# KiCad board ASP-K8071.kicad_pcb (continued)
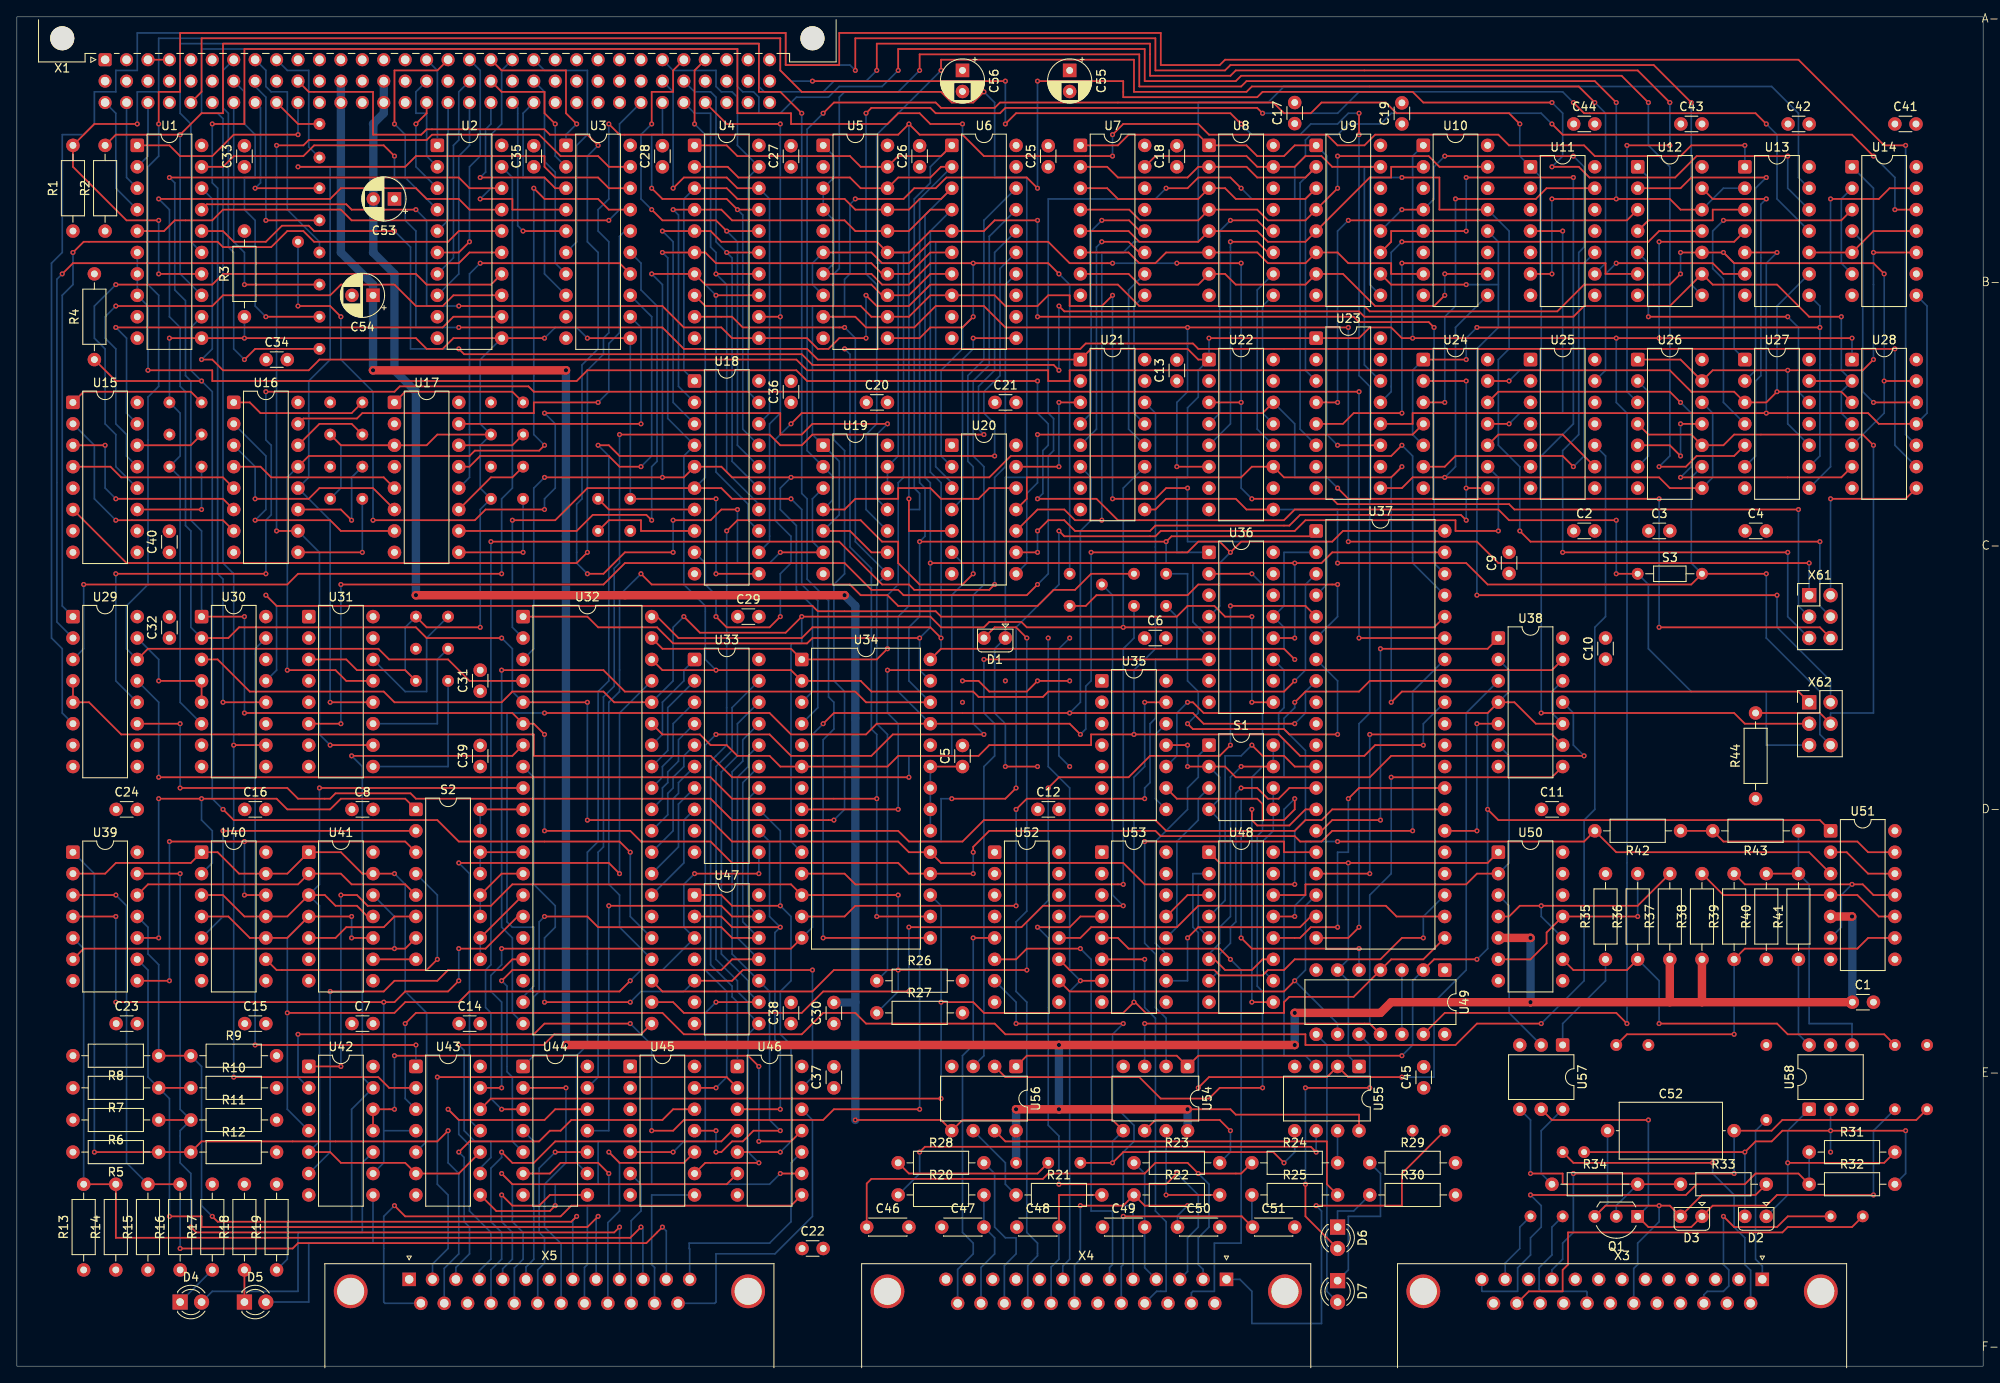
[diagram p0: board, top side]
## Footprints (pads in the part's own frame, mm; a bottom-side part is the same pattern mirrored in y, then rotated)
C_Axial_L12.0mm_D6.5mm_P15.00mm_Horizontal
  round 1.6 hole 0.8: 1(0,0) 2(15,0)
C_Disc_D3.0mm_W1.6mm_P2.50mm
  round 1.6 hole 0.8: 1(0,0) 2(2.5,0)
C_Disc_D4.3mm_W1.9mm_P5.00mm
  round 1.6 hole 0.8: 1(0,0) 2(5,0)
CP_Radial_D5.0mm_P2.50mm
  rect 1.6x1.6 hole 0.8: 1(0,0)
  round 1.6 hole 0.8: 2(2.5,0)
DIN41612_C_3x32_Male_Horizontal_THT
  round 2.85 hole 2.85 unplated: (-5.08,2.54) (83.82,2.54)
  rrect 1.55x1.55 hole 1: a1(0,0)
  round 1.55 hole 1: a2(2.54,0) a3(5.08,0) a4(7.62,0) a5(10.16,0) a6(12.7,0) a7(15.24,0) a8(17.78,0) a9(20.32,0) a10(22.86,0) a11(25.4,0) a12(27.94,0) a13(30.48,0) a14(33.02,0) a15(35.56,0) a16(38.1,0) a17(40.64,0) a18(43.18,0) a19(45.72,0) a20(48.26,0) a21(50.8,0) a22(53.34,0) a23(55.88,0) a24(58.42,0) a25(60.96,0) a26(63.5,0) a27(66.04,0) a28(68.58,0) a29(71.12,0) a30(73.66,0) a31(76.2,0) a32(78.74,0) b1(0,-2.54) b2(2.54,-2.54) b3(5.08,-2.54) b4(7.62,-2.54) b5(10.16,-2.54) b6(12.7,-2.54) b7(15.24,-2.54) b8(17.78,-2.54) b9(20.32,-2.54) b10(22.86,-2.54) b11(25.4,-2.54) b12(27.94,-2.54) b13(30.48,-2.54) b14(33.02,-2.54) b15(35.56,-2.54) b16(38.1,-2.54) b17(40.64,-2.54) b18(43.18,-2.54) b19(45.72,-2.54) b20(48.26,-2.54) b21(50.8,-2.54) b22(53.34,-2.54) b23(55.88,-2.54) b24(58.42,-2.54) b25(60.96,-2.54) b26(63.5,-2.54) b27(66.04,-2.54) b28(68.58,-2.54) b29(71.12,-2.54) b30(73.66,-2.54) b31(76.2,-2.54) b32(78.74,-2.54) c1(0,-5.08) c2(2.54,-5.08) c3(5.08,-5.08) c4(7.62,-5.08) c5(10.16,-5.08) c6(12.7,-5.08) c7(15.24,-5.08) c8(17.78,-5.08) c9(20.32,-5.08) c10(22.86,-5.08) c11(25.4,-5.08) c12(27.94,-5.08) c13(30.48,-5.08) c14(33.02,-5.08) c15(35.56,-5.08) c16(38.1,-5.08) c17(40.64,-5.08) c18(43.18,-5.08) c19(45.72,-5.08) c20(48.26,-5.08) c21(50.8,-5.08) c22(53.34,-5.08) c23(55.88,-5.08) c24(58.42,-5.08) c25(60.96,-5.08) c26(63.5,-5.08) c27(66.04,-5.08) c28(68.58,-5.08) c29(71.12,-5.08) c30(73.66,-5.08) c31(76.2,-5.08) c32(78.74,-5.08)
DIP-6_W7.62mm
  rrect 1.6x1.6 hole 0.8: 1(0,0)
  round 1.6 hole 0.8: 2(0,-2.54) 3(0,-5.08) 4(7.62,-5.08) 5(7.62,-2.54) 6(7.62,0)
DIP-8_W7.62mm
  rrect 1.6x1.6 hole 0.8: 1(0,0)
  round 1.6 hole 0.8: 2(0,-2.54) 3(0,-5.08) 4(0,-7.62) 5(7.62,-7.62) 6(7.62,-5.08) 7(7.62,-2.54) 8(7.62,0)
DIP-14_W7.62mm
  rrect 1.6x1.6 hole 0.8: 1(0,0)
  round 1.6 hole 0.8: 2(0,-2.54) 3(0,-5.08) 4(0,-7.62) 5(0,-10.16) 6(0,-12.7) 7(0,-15.24) 8(7.62,-15.24) 9(7.62,-12.7) 10(7.62,-10.16) 11(7.62,-7.62) 12(7.62,-5.08) 13(7.62,-2.54) 14(7.62,0)
DIP-16_W7.62mm
  rrect 1.6x1.6 hole 0.8: 1(0,0)
  round 1.6 hole 0.8: 2(0,-2.54) 3(0,-5.08) 4(0,-7.62) 5(0,-10.16) 6(0,-12.7) 7(0,-15.24) 8(0,-17.78) 9(7.62,-17.78) 10(7.62,-15.24) 11(7.62,-12.7) 12(7.62,-10.16) 13(7.62,-7.62) 14(7.62,-5.08) 15(7.62,-2.54) 16(7.62,0)
DIP-20_W7.62mm
  rrect 1.6x1.6 hole 0.8: 1(0,0)
  round 1.6 hole 0.8: 2(0,-2.54) 3(0,-5.08) 4(0,-7.62) 5(0,-10.16) 6(0,-12.7) 7(0,-15.24) 8(0,-17.78) 9(0,-20.32) 10(0,-22.86) 11(7.62,-22.86) 12(7.62,-20.32) 13(7.62,-17.78) 14(7.62,-15.24) 15(7.62,-12.7) 16(7.62,-10.16) 17(7.62,-7.62) 18(7.62,-5.08) 19(7.62,-2.54) 20(7.62,0)
DIP-28_W15.24mm
  rrect 1.6x1.6 hole 0.8: 1(0,0)
  round 1.6 hole 0.8: 2(0,-2.54) 3(0,-5.08) 4(0,-7.62) 5(0,-10.16) 6(0,-12.7) 7(0,-15.24) 8(0,-17.78) 9(0,-20.32) 10(0,-22.86) 11(0,-25.4) 12(0,-27.94) 13(0,-30.48) 14(0,-33.02) 15(15.24,-33.02) 16(15.24,-30.48) 17(15.24,-27.94) 18(15.24,-25.4) 19(15.24,-22.86) 20(15.24,-20.32) 21(15.24,-17.78) 22(15.24,-15.24) 23(15.24,-12.7) 24(15.24,-10.16) 25(15.24,-7.62) 26(15.24,-5.08) 27(15.24,-2.54) 28(15.24,0)
DIP-40_W15.24mm
  rrect 1.6x1.6 hole 0.8: 1(0,0)
  round 1.6 hole 0.8: 2(0,-2.54) 3(0,-5.08) 4(0,-7.62) 5(0,-10.16) 6(0,-12.7) 7(0,-15.24) 8(0,-17.78) 9(0,-20.32) 10(0,-22.86) 11(0,-25.4) 12(0,-27.94) 13(0,-30.48) 14(0,-33.02) 15(0,-35.56) 16(0,-38.1) 17(0,-40.64) 18(0,-43.18) 19(0,-45.72) 20(0,-48.26) 21(15.24,-48.26) 22(15.24,-45.72) 23(15.24,-43.18) 24(15.24,-40.64) 25(15.24,-38.1) 26(15.24,-35.56) 27(15.24,-33.02) 28(15.24,-30.48) 29(15.24,-27.94) 30(15.24,-25.4) 31(15.24,-22.86) 32(15.24,-20.32) 33(15.24,-17.78) 34(15.24,-15.24) 35(15.24,-12.7) 36(15.24,-10.16) 37(15.24,-7.62) 38(15.24,-5.08) 39(15.24,-2.54) 40(15.24,0)
DSUB-25_Pins_Horizontal_P2.77x2.84mm_EdgePinOffset7.70mm_Housed_MountingHolesOffset9.12mm
  round 4 hole 3.2: 0(-6.93,-1.42) 0(40.17,-1.42)
  rect 1.6x1.6 hole 1: 1(0,0)
  round 1.6 hole 1: 2(2.77,0) 3(5.54,0) 4(8.31,0) 5(11.08,0) 6(13.85,0) 7(16.62,0) 8(19.39,0) 9(22.16,0) 10(24.93,0) 11(27.7,0) 12(30.47,0) 13(33.24,0) 14(1.385,-2.84) 15(4.155,-2.84) 16(6.925,-2.84) 17(9.695,-2.84) 18(12.465,-2.84) 19(15.235,-2.84) 20(18.005,-2.84) 21(20.775,-2.84) 22(23.545,-2.84) 23(26.315,-2.84) 24(29.085,-2.84) 25(31.855,-2.84)
DSUB-25_Socket_Horizontal_P2.77x2.84mm_EdgePinOffset7.70mm_Housed_MountingHolesOffset9.12mm
  round 4 hole 3.2: 0(-40.17,-1.42) 0(6.93,-1.42)
  rect 1.6x1.6 hole 1: 1(0,0)
  round 1.6 hole 1: 2(-2.77,0) 3(-5.54,0) 4(-8.31,0) 5(-11.08,0) 6(-13.85,0) 7(-16.62,0) 8(-19.39,0) 9(-22.16,0) 10(-24.93,0) 11(-27.7,0) 12(-30.47,0) 13(-33.24,0) 14(-1.385,-2.84) 15(-4.155,-2.84) 16(-6.925,-2.84) 17(-9.695,-2.84) 18(-12.465,-2.84) 19(-15.235,-2.84) 20(-18.005,-2.84) 21(-20.775,-2.84) 22(-23.545,-2.84) 23(-26.315,-2.84) 24(-29.085,-2.84) 25(-31.855,-2.84)
Heraeus_TO-92-2
  round 1.6 hole 0.8: 1(0,0) 2(2.54,0)
LED_D3.0mm_Clear
  rect 1.8x1.8 hole 0.9: 1(0,0)
  round 1.8 hole 0.9: 2(2.54,0)
Pin_D1.0mm_L10.0mm
  round 1.4 hole 0.7: 1(0,0)
PinHeader_2x03_P2.54mm_Vertical
  rect 1.7x1.7 hole 1: 1(0,0)
  round 1.7 hole 1: 2(2.54,0) 3(0,-2.54) 4(2.54,-2.54) 5(0,-5.08) 6(2.54,-5.08)
R_Axial_DIN0204_L3.6mm_D1.6mm_P7.62mm_Horizontal
  round 1.4 hole 0.7: 1(0,0)
  oval 1.4x1.4 hole 0.7: 2(7.62,0)
R_Axial_DIN0207_L6.3mm_D2.5mm_P10.16mm_Horizontal
  round 1.6 hole 0.8: 1(0,0)
  oval 1.6x1.6 hole 0.8: 2(10.16,0)
TO-92L_Inline_Wide
  rect 1.5x1.5 hole 0.8: 1(0,0)
  round 1.5 hole 0.8: 2(2.54,0) 3(5.08,0)

## Nets
+5V: C2.1 C3.1 C4.1 C5.2 C6.1 C7.1 C8.1 C9.1 C10.1 C11.1 C12.1 C13.1 C14.1 C15.1 C16.1 C17.1 C18.1 C19.1 C20.1 C21.1 C22.1 C23.1 C24.1 C25.1 C26.1 C27.1 C28.1 C29.1 C31.1 C32.1 C33.1 C34.1 C35.1 C36.1 C37.1 C38.1 C39.1 C40.1 C41.1 C42.1 C43.1 C44.1 C45.1 C55.1 C56.1 R1.1 R2.1 R3.2 R4.2 R9.2 R10.2 R11.2 R12.2 R14.1 R16.1 R19.2 R26.2 R27.2 R35.2 R44.1 U1.20 U2.20 U3.20 U4.20 U5.20 U6.20 U7.16 U8.16 U9.16 U10.16 U11.14 U12.14 U13.14 U14.14 U15.16 U16.16 U17.16 U18.20 U19.14 U20.14 U21.16 U22.16 U23.16 U24.14 U25.14 U26.14 U27.14 U28.14 U29.16 U30.16 U31.16 U32.26 U33.20 U34.5 U35.14 U36.16 U37.9 U38.14 U39.14 U40.14 U41.14 U42.14 U43.14 U44.14 U45.14 U46.14 U47.14 U48.16 U49.14 U50.14 U51.14 U52.1 U52.2 U52.3 U52.14 U52.15 U53.1 U53.2 U53.3 U53.14 U53.15 X1.a11 X1.a12 X1.a14 X1.a15 X1.c24 X1.c25
+12V: C1.1 C54.1 R37.1 R38.1 U50.5 U51.5 U54.8 U55.8 U56.8 X1.b12 X1.c12 X133.1
-12V: C30.2 C53.2 U54.5 U55.5 U56.5 X1.b14 X1.c14 X131.1
GND: C1.2 C2.2 C3.2 C4.2 C5.1 C6.2 C7.2 C8.2 C9.2 C10.2 C11.2 C12.2 C13.2 C14.2 C15.2 C16.2 C17.2 C18.2 C19.2 C20.2 C21.2 C22.2 C23.2 C24.2 C25.2 C26.2 C27.2 C28.2 C29.2 C30.1 C31.2 C32.2 C33.2 C34.2 C35.2 C36.2 C37.2 C38.2 C39.2 C40.2 C41.2 C42.2 C43.2 C44.2 C45.2 C46.2 C47.1 C48.1 C49.1 C50.2 C51.2 C53.1 C54.2 C55.2 C56.2 R5.2 R6.2 R7.2 R8.2 R13.1 R15.1 R17.2 R18.2 R29.2 R30.2 R40.1 U1.9 U1.10 U2.9 U2.10 U3.9 U3.10 U4.10 U5.2 U5.5 U5.10 U6.9 U6.10 U7.8 U7.13 U7.14 U8.8 U8.13 U8.14 U9.8 U9.13 U9.14 U10.8 U11.2 U11.3 U11.7 U11.11 U11.12 U12.7 U13.7 U14.7 U15.8 U15.9 U15.10 U16.8 U17.2 U17.4 U17.8 U18.10 U19.7 U20.1 U20.7 U21.8 U22.8 U23.8 U24.7 U25.7 U25.11 U25.12 U26.7 U27.7 U27.11 U28.7 U29.8 U30.8 U31.1 U31.2 U31.4 U31.8 U31.15 U32.11 U33.9 U33.10 U34.20 U34.21 U34.22 U34.23 U34.24 U35.7 U36.8 U37.31 U38.7 U39.7 U40.7 U41.7 U42.3 U42.7 U43.7 U44.7 U45.7 U46.7 U47.4 U47.7 U48.8 U48.15 U49.1 U49.7 U50.7 U51.7 U52.8 U53.8 U54.4 U55.4 U56.4 X1.b2 X1.b6 X1.b9 X1.b13 X1.b17 X1.b20 X1.b23 X1.b26 X1.b29 X1.b32 X4.7 X5.1 X5.7 X104.1 X106.1 X108.1 X112.1 X141.1 X156.1 X158.1 X165.1 X176.1 X178.1 X195.1
-ADR0: U2.1 X1.a16
-ADR1: U2.2 X1.b16
-ADR2: U2.3 X1.c16
-ADR3: U2.4 X1.a17
-ADR4: U2.5 X1.c17
-ADR5: U2.6 X1.a18
-ADR6: U2.7 X1.b18
-ADR7: U2.8 X1.c18
-ADR8: U3.1 X1.a19
-ADR9: U3.2 X1.b19
-ADRA: U3.3 X1.c19
-ADRB: U3.4 X1.a20
-ADRC: U3.5 X1.c20
-ADRD: U3.6 X1.a21
-ADRE: U3.7 X1.b21
-ADRF: U3.8 X1.c21
-DAT0: U4.19 U18.19 X1.a27
-DAT1: U4.18 U18.18 X1.b27
-DAT2: U4.17 U18.17 X1.c27
-DAT3: U4.16 U18.16 X1.a28
-DAT4: U4.15 U18.15 X1.b28
-DAT5: U4.14 U18.14 X1.c28
-DAT6: U4.13 U18.13 X1.a29
-DAT7: U4.12 U18.12 X1.c29
-INIT: U1.1 X1.c10
-INT0: X1.a7 X181.1
-INT1: X1.b7 X182.1
-INT2: X1.c7 X183.1
-INT3: X1.a8 X184.1
-INT4: X1.b8 X185.1
-INT5: X1.c8 X186.1
-INT6: X1.a9 X187.1
-INT7: X1.c9 X188.1
-IORC: U1.4 X1.c1
-IOWC: U1.3 X1.c2
-XACK: U19.3 U19.6 X1.b10
/U32PA0: U32.15 U39.4 U42.9 U43.4
/U32PA1: S2.9 S2.10 U32.14
/U32PA2: S2.11 S2.12 U32.13
/U32PA3: S2.13 S2.14 U32.12
/U32PA4: S2.15 S2.16 U32.10
/U32PA5: U32.9 U40.3 U40.11 U41.3 U41.11 U42.5 U43.6 U43.10
/U32PA6: U32.8 U46.13 U47.5
/U32PB0: U32.27 U33.8
/U32PB1: U32.28 U33.7
/U32PB2: U32.29 U33.6
/U32PB3: U32.30 U33.5
/U32PB4: U32.31 U33.4
/U32PB5: U32.32 U33.3
/U32PB6: U32.33 U33.2
/U32PB7: U32.34 U33.1
/U33Q0: U33.12 U46.3 U47.2
/U33Q1: U33.13 U46.5 U47.1
/U33Q2: U33.14 U44.11 U47.13
/U33Q3: U33.15 U44.1 U47.12
/U33Q4: U33.16 U44.5 U47.11
/U33Q5: U33.17 U45.11 U47.10
/U33Q6: U33.18 U45.5 U47.9
/U33Q7: U33.19 U45.9 U47.8
/X5D0: U46.4 X5.17
/X5D1: U46.6 X5.18
/X5D2: U44.10 X5.19
/X5D3: U44.2 X5.20
/X5D4: U44.6 X5.21
/X5D5: U45.10 X5.22
/X5D6: U45.6 X5.23
/X5D7: U45.8 X5.24
/X5P: U46.12 X5.25
/X5S0: R8.1 R9.1 U39.11 X5.8
/X5S1: R7.1 R10.1 U39.9 X5.9
/X5S2: R6.1 R11.1 U39.13 X5.10
/X5S3: R13.2 R14.2 U39.5 X5.11
/X5T0: R5.1 R12.1 U39.1 X5.15
/X5T1: R15.2 R16.2 U39.3 X5.12
ADR0: U2.19 U29.3
ADR1: U2.18 U30.1 U32.6 U34.18 U37.34
ADR2: U2.17 U30.2 U32.5 U34.19 U37.33
ADR3: U2.16 U29.1
ADR4: U2.15 U29.2
ADR5: U2.14 U15.12
ADR6: U2.13 U15.13
ADR7: U2.12 U15.15
ADR8: U3.19 U16.10 U31.10
ADR9: U3.18 U16.12 U31.12
ADRA: U3.17 U16.13 U31.13
ADRB: U3.16 U16.15
ADRC: U3.15 U17.10
ADRD: U3.14 U17.12
ADRE: U3.13 U17.13
ADRF: U3.12 U17.15
C52P2: C52.2 X3.10 X101.1
CTC_CS: U28.9 U29.13 U34.16
D1A: D1.2 X4.22
D1K: D1.1 X1.c5
D2A: D2.2 R32.2 U58.2 X109.1
D2K: D2.1 R31.2 U58.1
DAT0: U4.1 U5.19 U6.1 U32.19 U34.25 U36.4 U37.40
DAT1: U4.2 U5.18 U6.2 U32.20 U34.26 U36.5 U37.1
DAT2: U4.3 U5.17 U6.3 U18.1 U32.1 U34.27 U36.12 U37.39
DAT3: U4.4 U5.16 U6.4 U18.2 U32.40 U34.28 U36.13 U37.2
DAT4: U4.5 U5.15 U6.5 U18.3 U32.39 U34.1 U37.38
DAT5: U4.6 U5.14 U6.6 U18.4 U32.38 U34.2 U37.3
DAT6: U4.7 U5.13 U6.7 U18.5 U32.3 U34.3 U37.37
DAT7: U4.8 U5.12 U6.8 U18.6 U32.2 U34.4 U37.4
H1: R3.1 U1.11 U2.11 U3.11 U17.3 U18.11 U30.6 U31.3 X142.1 X155.1 X157.1 X164.1 X166.1 X175.1 X177.1 X194.1 X196.1
PIO_CS: U28.10 U29.14 U32.4
Q1B: Q1.2 R33.1 R34.2 U57.4
Q1C: D3.1 Q1.1 U57.5 X103.1
Q1E: C52.1 D3.2 Q1.3 R33.2 X3.19
R20P2: C47.2 R20.2 X4.24
R21P2: C48.2 R21.2 X4.21
R22P1: C50.1 R22.1 X4.20
R23P2: C49.2 R23.1 X4.4
R24P2: C46.1 R24.1 X4.2
R25P2: C51.1 R25.1 X4.18
R28P1: R28.1 X132.1
R28P2: R28.2 X4.23
R31P1: R31.1 R32.1 X3.13
R34P1: R34.1 U57.6
R39P1: R39.1 U51.9 X107.1
R41P2: R41.1 U58.6
R43P1: R40.2 R41.2 R43.1 U58.4
SIO_CS: U29.12 U37.35
U1B1: U1.18 U13.9 U27.3 U28.3
U1B2: U1.17 U4.11 U12.10 U27.1 U28.5 U28.13
U1B3: U1.16 U12.9 U27.13 U28.2 U28.4
U1B4: U1.15 U26.3
U1B5: R1.2 U1.14 U37.20
U1B6: R2.2 U1.13 U34.15
U1B7: R4.1 U1.12 U32.25
U1CLK: S3.2 U21.9 U22.9 U26.9 X62.6
U1CLK2: S3.1 U1.6 U1.7 U1.8 X62.5
U4CS: R26.1 U4.9 U19.8
U5CS: U5.9 U22.6 X61.1
U5I5: U5.6 U5.8 U22.3 X61.3
U7A0: U7.5 U8.5 U9.5 U10.2
U7A1: U7.6 U8.6 U9.6 U10.7
U7A2: U7.7 U8.7 U9.7 U10.10
U7A3: U7.4 U8.4 U9.4 U10.15
U7A4: U7.3 U8.3 U9.3 U23.3
U7A5: U7.2 U8.2 U9.2 U23.6
U7A6: U7.1 U8.1 U9.1 U23.11
U7A7: U7.15 U8.15 U9.15 U23.14
U10C: U10.9 U23.9 U26.8 U26.12
U10D1: U9.12 U10.4 X61.5
U10D2: U9.11 U10.5 X62.3
U10D3: U9.10 U10.12 X62.2
U10D4: U9.9 U10.13 X61.4
U11AQN: U11.6 U12.12 U13.2 U19.1 U19.5 U19.9
U11AR: U11.1 U19.2 U19.4 U20.12 U24.13
U11BS: U11.10 U24.6
U12BQ: U12.6 U23.5
U13AQ: U12.1 U12.4 U13.3
U13BQ: U13.6 U25.13
U13CQ: U13.8 U24.1 U24.5 U27.9
U13I2: U13.13 U20.10
U14AC: U14.3 U27.4
U14AQ: U13.10 U14.5 U14.11
U14AR: U14.1 U14.10 U26.1 U26.13 U27.10
U14AS: U14.4 U28.12
U15BQN: U13.5 U14.8 U23.12 U28.11
U18A6: U18.7 X144.1
U18A7: U18.8 X143.1
U18CS: U18.9 U22.14 X61.6
U19CE2: U13.11 U19.10
U19DE: U11.9 U19.12 U19.13
U20AQ: U5.1 U5.3 U5.4 U5.7 U5.11 U20.2 X127.1
U20BQ: U6.11 U20.4
U20DI: U20.9 U24.2 U24.8
U20DQ: U20.8 U24.4
U20EE: U20.11 U22.11 X62.1
U20FI: U20.13 U21.3
U21D1: U7.12 U21.4
U21D2: U7.11 U21.5
U21D3: U7.10 U21.12
U21D4: U7.9 U21.13
U22D1: U8.12 U22.4
U22D2: U8.11 U22.5
U22D3: U8.10 U22.12
U22D4: U8.9 U22.13
U22R: U1.19 U10.1 U13.4 U21.1 U22.1 U23.1 U28.1 U36.1 U49.13
U23I1: U12.3 U23.4
U23I4: U12.11 U23.13
U24AQ: U11.13 U24.3
U24DQ: U11.4 U24.11
U25BQ: U24.10 U25.9
U26AQ: U26.5 U26.11
U26BS: R44.2 U26.4 U26.10 X62.4
U27AQ: U12.2 U27.2
U27CQ: U12.13 U27.6
U27DQ: U14.13 U27.8
U27FQ: U12.5 U27.12
U28AQ: U24.12 U28.6
U28CQ: U28.8 X61.2
U29E2: U20.6 U29.4 U29.5
U29E3: U12.8 U29.6
U29Q4: U13.12 U29.11
U30A2: U21.11 U30.3 U32.36 U34.10 U37.36
U31QG: U14.12 U31.6
U32IEI: U32.24 X124.1
U32IEO: U32.22 X125.1
U32PA7: R19.1 U32.7 U42.13
U34IEI: U34.13 X121.1
U34IEO: U34.11 X123.1
U34RD: U21.14 U32.35 U34.6 U37.32
U34T1: U34.8 U38.13
U34T2: U34.9 U37.27
U35BQ: U35.9 U55.3
U36C: U30.13 U36.9
U36Q2N: U36.6 U56.3
U36Q3N: U36.11 U56.2
U37IEI: U37.6 X126.1
U37IEO: U37.7 X122.1
U37RTSA: U37.17 U38.9
U37TXDA: U37.15 U38.1
U38AQ: U38.3 U48.2 U55.2
U38BE: U37.26 U38.5
U38BQ: U38.6 U48.14 U50.2
U38DQ: S1.2 S1.4 U35.11 U38.11 U48.5
U42AE: R27.1 U32.23 U34.12 U37.5 U42.1
U42AQ: U24.9 U42.2
U42FQ: U42.11 U42.12 U46.11
U43AQ: U25.10 U43.3
U43DE1: U34.17 U35.13 U37.21 U43.12 U49.4
U43DE2: U21.6 U34.14 U37.8 U43.13
U43DQ: U32.37 U43.11
U44BE: U6.14 U44.3
U44BQ: U44.4 X5.6
U44DE: U6.15 U44.9
U44DQ: U44.8 X5.5
U44FE: U6.16 U44.13
U44FQ: U44.12 X5.4
U45FE: U6.17 U45.13
U45FQ: U45.12 X5.3
U46AE: U6.18 U46.1
U46AQ: U46.2 X5.2
U46EQ: U46.10 X5.13
U48B1: S1.7 S1.8 U48.6 U48.11
U48B2: S1.5 S1.6 U48.10
U48B3: R42.2 U48.13 U51.3
U48Q0: U37.12 U48.4
U48Q1: U37.13 U48.7
U48Q2: U37.14 U48.9
U48Q3: U37.28 U48.12
U49CE: U36.2 U49.5
U49CQ: U48.1 U49.6 U50.1 U55.1
U49DE: U37.18 U49.9 U52.10
U49EE: U38.8 U49.11 U54.3
U49FQ: U49.3 U49.12
U50AC2: R37.2 U50.4 U50.10
U50AY1: U50.3 U57.2
U50B2: R36.2 U50.6 U50.11
U50E2: R36.1 U50.9 X102.1
U51A2: R42.1 R43.2 U51.13
U51AG: U35.10 U38.2 U38.4 U38.10 U38.12 U49.2 U51.1 U54.1 U56.1
U51B1: R38.2 U51.4 U51.10
U51E1: R39.2 U51.6 U51.11
U52A2: U52.5 X4.25
U52A3: U52.6 X4.6
U52A4: U52.7 X4.5
U52Y2: U37.22 U52.12
U52Y3: U37.23 U52.11
U53A1: U53.4 X4.3
U53A2: U53.5 X4.15
U53A3: U53.6 X4.17
U53A4: U53.7 X4.8
U53Y1: U48.3 U53.13
U53Y2: S1.3 U53.12
U53Y3: S1.1 U53.11
U53Y4: U37.19 U53.10
U54A1: U37.16 U54.2
U54Y1: R22.2 U54.7
U54Y2: R23.2 U54.6
U55Y1: R24.2 U55.7
U55Y2: R20.1 U55.6
U56Y1: R25.2 U56.7
U56Y2: R21.1 U56.6
U57A: R35.1 U57.1
X1C3: U1.2 X1.c3
X1C26: U1.5 X1.c26
X105_P: X3.1 X105.1
X111_P: X4.1 X111.1
X201_P: X3.24 X201.1
X202_P: X3.16 X202.1
X203_P: X3.21 X203.1
X204_P: X3.12 X204.1
X1010_P: X3.14 X1010.1
Net-(D4-A): D4.2 U42.10
Net-(D4-K): D4.1 R17.1
Net-(D5-A): D5.2 U42.8
Net-(D5-K): D5.1 R18.1
Net-(D6-A): D6.2 U49.10
Net-(D6-K): D6.1 R30.1
Net-(D7-A): D7.2 U49.8
Net-(D7-K): D7.1 R29.1
Net-(S2-Pad1): S2.1 U39.10 U40.2
Net-(S2-Pad2): S2.2 U40.5
Net-(S2-Pad3): S2.3 U39.8 U40.12
Net-(S2-Pad4): S2.4 U40.9
Net-(S2-Pad5): S2.5 U39.12 U41.2
Net-(S2-Pad6): S2.6 U41.5
Net-(S2-Pad7): S2.7 U39.6 U41.12
Net-(S2-Pad8): S2.8 U41.9
Net-(U14-Pad2): U14.2 U14.6
Net-(U15-B1): U15.11 X191.1
Net-(U15-B2): U15.14 X192.1
Net-(U15-B3): U15.1 X193.1
Net-(U15-Ia<b): U15.2 U16.7
Net-(U15-Ia=b): U15.3 U16.6
Net-(U15-Ia>b): U15.4 U16.5
Net-(U15-Oa=b): U13.1 U15.6 U20.5
Net-(U16-B0): U16.9 X171.1
Net-(U16-B1): U16.11 X172.1
Net-(U16-B2): U16.14 X173.1
Net-(U16-B3): U16.1 X174.1
Net-(U16-Ia<b): U16.2 U17.7
Net-(U16-Ia=b): U16.3 U17.6
Net-(U16-Ia>b): U16.4 U17.5
Net-(U17-B0): U17.9 X151.1
Net-(U17-B1): U17.11 X152.1
Net-(U17-B2): U17.14 X153.1
Net-(U17-B3): U17.1 X154.1
Net-(U26-Pad2): U26.2 U26.6
Net-(U29-O0): U29.15 U30.4 U30.5
Net-(U30-O0): U30.15 U43.1
Net-(U30-O3): U20.3 U30.12
Net-(U30-O5): U27.5 U30.10 U43.2
Net-(U31-B0): U31.9 X161.1
Net-(U31-B1): U31.11 X162.1
Net-(U31-B2): U31.14 X163.1
Net-(U32-BRDY): U32.21 U43.9
Net-(U32-~{BSTB}): U32.17 U42.6
Net-(U33-DIR): U33.11 U40.4 U40.10 U41.4 U41.10 U42.4 U47.3
Net-(U35-Pad12): U35.8 U35.12
Net-(U39-Pad2): U39.2 U40.1 U40.13 U41.1 U41.13 U43.5
Net-(U43-Pad8): U43.8 U46.9
Net-(U51A-1A): U51.2 U51.12
Net-(X1-Pin_a3): X1.a3 X1.a4
Net-(X5-P14): U46.8 X5.14
Net-(X189-Pin_1): U19.11 X189.1

Pads without a net: U6 12 13 19; U10 3 6 11 14; U11 5 8; U14 9; U15 5 7; U21 2 7 10 15; U22 2 7 10 15; U23 2 7 10 15; U25 1 2 3 4 5 6 8; U29 7 9 10; U30 7 9 11 14; U31 5 7; U32 16 18; U34 7; U35 1 2 3 4 5 6; U36 3 7 10 14 15; U37 10 11 24 25 29 30; U40 6 8; U41 6 8; U45 1 2 3 4; U47 6; U50 8 12 13; U51 8; U52 4 9 13 16; U53 9 16; U57 3; U58 3 5; X1 a1 a2 a5 a6 a10 a13 a22 a23 a24 a25 a26 a30 a31 a32 b1 b3 b4 b5 b11 b15 b22 b24 b25 b30 b31 c4 c6 c11 c13 c15 c22 c23 c30 c31 c32; X3 0 2 3 4 5 6 7 8 9 11 15 17 18 20 22 23 25; X4 0 9 10 11 12 13 14 16 19; X5 0 16

## Via types
v1: diameter 0.6, hole 0.3, Top to Bottom, 554 vias
v2: diameter 1.016, hole 0.508, Top to Bottom, 14 vias

## Routing (per net, layer and track width the routed paths; a pad name or vN(x,y) marks a point on that pad's centre or on a via; arc(x,y) is an arc through that point)
+12V: length 389.1
  Top w0.2: v2(138.72,30.46) 143.81,30.46 144.44,29.82 159.04,29.82 U55.8
  Top w0.991: v2(65.06,38.08) v2(123.48,38.08) v2(151.43,38.08) ; v2(42.2,118.09) v2(65.06,118.09) ; v2(151.43,41.89) 161.59,41.89 162.85,43.16 v2(179.37,43.16) 195.88,43.16 ; v2(217.47,53.32) U51.5 ; v2(179.37,50.78) U50.5 ; 195.88,43.16 R37.1 ; 195.88,43.16 199.69,43.16 ; v2(138.72,30.46) v2(123.48,30.46) v2(118.41,30.46) ; 199.69,43.16 C1.1 ; 199.69,43.16 R38.1
  Bottom w0.991: v2(123.48,38.08) v2(123.48,30.46) ; v2(151.43,38.08) v2(151.43,41.89) ; v2(118.41,30.46) X133.1 ; v2(217.47,53.32) 217.51,53.28 C1.1 ; v2(42.2,118.09) C54.1 42.2,128.25 38.39,132.06 X1.b12 ; v2(179.37,43.16) v2(179.37,50.78) ; v2(138.72,30.46) U54.8 ; v2(65.06,38.08) v2(65.06,118.09)
-12V: length 246.9
  Top w0.2: U54.5 129.84,29.19 112.06,29.19 U56.5 109.51,29.19 v1(99.35,29.19) ; v1(150.16,24.11) 148.88,25.38 131.1,25.38 v1(129.84,24.11) X131.1
  Top w0.991: v2(98.09,91.42) v2(47.28,91.42)
  Bottom w0.2: v1(150.16,24.11) 151.43,25.38 U55.5 ; v1(129.84,24.11) 129.84,26.65 U54.5
  Bottom w0.991: 99.35,43.16 99.35,90.15 v2(98.09,91.42) ; 99.35,43.16 99.31,43.12 C30.2 ; 99.35,43.16 v1(99.35,29.19) ; v2(47.28,91.42) 47.28,115.55 44.75,118.09 44.75,129.52 42.2,132.06 42.25,132.1 C53.2 42.25,147.26 42.2,147.3 43.47,148.57 X1.c14 X1.b14
GND: length 11.4
  Top w0.2: U34.23 C5.1
  Bottom w0.2: U34.23 U34.20
(no net): length 30
  Top w0.2: v1(112.06,81.26) 113.96,81.26 115.23,79.99 119.68,79.99 v1(120.94,81.26) v1(124.75,81.26)
  Bottom w0.2: v1(124.75,86.34) 123.48,85.07 123.48,72.37 v1(124.75,71.1)
  vias: v1(112.06,78.72) v1(117.13,81.26)
-ADR0: length 10.7
  Bottom w0.2: X1.a16 49.83,153.64 U2.1
-ADR1: length 12.5
  Bottom w0.2: X1.b16 47.28,151.11 47.28,148.57 48.55,148.57 48.55,143.5 U2.2
-ADR2: length 11.7
  Top w0.2: v1(47.28,147.3) 48.55,148.57 X1.c16
  Bottom w0.2: v1(47.28,147.3) 47.28,142.22 U2.3
-ADR3: length 25.5
  Top w0.2: v1(44.75,147.3) 44.75,153.65 49.83,153.65 X1.a17
  Bottom w0.2: U2.4 46.02,140.95 46.02,140.95 46.02,146.03 v1(44.75,147.3)
-ADR4: length 15.8
  Bottom w0.2: X1.c17 51.09,135.87 U2.5
-ADR5: length 27
  Top w0.2: U2.6 52.36,132.06 v1(53.64,133.33)
  Bottom w0.2: v1(53.64,133.33) 53.64,142.22 54.91,143.49 54.91,153.65 X1.a18
-ADR6: length 24.4
  Bottom w0.2: U2.7 51.73,131.42 51.73,144.76 52.36,145.39 52.36,151.11 X1.b18
-ADR7: length 24.4
  Bottom w0.2: U2.8 52.36,129.51 52.36,143.49 53.64,144.76 X1.c18
-ADR8: length 19.4
  Top w0.2: v1(66.33,147.3) 65.06,148.57 65.06,153.65 57.44,153.65 X1.a19
  Bottom w0.2: U3.1 65.07,146.03 65.06,146.03 v1(66.33,147.3)
-ADR9: length 16.8
  Top w0.2: v1(63.8,147.3) 62.53,148.57 62.53,151.11 57.44,151.11 X1.b19
  Bottom w0.2: U3.2 63.8,143.49 63.8,143.49 v1(63.8,147.3)
-ADRA: length 20.1
  Top w0.2: v1(54.91,140.95) 62.53,140.95 63.8,139.68 U3.3
  Bottom w0.2: v1(54.91,140.95) 55.54,141.58 55.54,146.66 56.17,147.3 X1.c19
-ADRB: length 29.5
  Top w0.2: v1(54.91,138.41) 58.72,138.41 58.72,137.14 U3.4
  Bottom w0.2: v1(54.91,138.41) 56.17,139.68 56.17,146.03 57.44,147.3 57.44,153.65 X1.a20
-ADRC: length 20.9
  Top w0.2: v1(59.98,134.6) U3.5
  Bottom w0.2: v1(59.98,134.6) 59.35,135.24 59.35,149.2 X1.c20
-ADRD: length 29.5
  Bottom w0.2: U3.6 66.33,133.32 66.33,144.76 67.61,146.03 67.61,153.65 62.53,153.65 X1.a21
-ADRE: length 24.4
  Bottom w0.2: X1.b21 62.53,151.11 62.53,142.85 63.8,141.58 63.8,130.8 U3.7
-ADRF: length 27
  Bottom w0.2: U3.8 62.53,129.52 62.53,140.95 59.98,140.95 59.98,148.57 X1.c21
-DAT0: length 50.2
  Bottom w0.2: U18.19 86.66,115.55 86.66,140.95 86.66,140.95 U4.19 86.66,143.49 86.66,143.49 85.38,144.76 85.38,150.47 84.75,151.11 83.48,151.11 82.84,151.75 82.84,153.65 77.77,153.65 X1.a27
-DAT1: length 53.4
  Top w0.2: v1(77.77,139.68) 79.03,140.95 84.12,140.95 85.38,139.68 U4.18
  Bottom w0.2: U4.18 89.19,138.41 89.19,113.01 U18.18 ; v1(77.77,139.68) 77.77,151.11 X1.b27
-DAT2: length 54.2
  Top w0.2: U4.17 v1(85.38,137.14) 84.12,138.41 76.5,138.41 v1(75.22,139.68)
  Bottom w0.2: v1(75.22,139.68) 75.22,146.03 76.5,146.03 X1.c27 ; v1(85.38,137.14) 86.02,136.5 86.02,111.1 U18.17
-DAT3: length 65.2
  Top w0.2: X1.a28 77.77,153.65 77.77,151.11 75.22,151.11 v1(75.22,147.3) ; v1(75.22,137.14) 76.5,135.87 82.84,135.87 v1(84.12,134.6) U4.16
  Bottom w0.2: v1(75.22,147.3) 73.95,146.03 73.95,138.41 v1(75.22,137.14) ; U18.16 85.38,109.2 85.38,133.33 v1(84.12,134.6)
-DAT4: length 56.9
  Top w0.2: U4.15 v1(84.12,132.06)
  Bottom w0.2: U18.15 84.75,107.3 84.75,131.43 v1(84.12,132.06) 82.84,133.33 82.84,150.47 82.21,151.11 80.3,151.11 X1.b28
-DAT5: length 58.1
  Top w0.2: U4.14 v1(82.84,129.52)
  Bottom w0.2: U18.14 87.93,102.22 84.12,106.02 84.12,128.25 v1(82.84,129.52) 82.84,132.06 82.21,132.69 82.21,148.57 80.3,148.57 X1.c28
-DAT6: length 64.6
  Top w0.2: v1(82.84,126.98) U4.13 ; X1.a29 80.3,153.65 v1(80.3,147.3)
  Bottom w0.2: v1(80.3,147.3) 81.58,146.03 81.58,128.25 v1(82.84,126.98) 82.84,106.02 86.66,102.22 86.66,100.31 U18.13
-DAT7: length 64.3
  Top w0.2: X1.c29 84.12,147.3 v1(90.47,147.3) ; v1(90.47,124.44) U4.12
  Bottom w0.2: v1(90.47,147.3) v1(90.47,124.44) 90.47,113.01 89.19,111.74 89.19,97.77 U18.12
-INIT: length 24.4
  Top w0.2: U1.1 18.07,144.76 19.34,143.49 23.16,143.49 25.69,146.03 v1(33.31,146.03)
  Bottom w0.2: X1.c10 v1(33.31,146.03)
-INT0: length 46.6
  Top w0.2: v1(26.97,119.36) 28.23,120.63 X181.1
  Bottom w0.2: v1(26.97,119.36) 25.69,120.63 25.69,132.06 25.06,132.69 25.06,148.57 24.42,149.2 24.42,153.65 X1.a7
-INT1: length 37.7
  Top w0.2: X182.1 v1(29.5,124.44)
  Bottom w0.2: v1(29.5,124.44) 28.23,125.71 28.23,135.87 26.97,137.14 26.97,140.95 28.23,140.95 28.23,146.03 26.97,147.3 26.97,151.11 X1.b7
-INT2: length 31
  Top w0.2: X183.1 v1(26.97,128.25)
  Bottom w0.2: X1.c7 25.69,133.33 26.97,132.06 v1(26.97,128.25)
-INT3: length 27.1
  Bottom w0.2: X184.1 35.86,133.33 32.05,137.14 32.05,151.11 30.14,151.11 29.5,151.75 29.5,153.65 X1.a8
-INT4: length 23.4
  Top w0.2: X185.1 v1(29.5,135.87)
  Bottom w0.2: X1.b8 28.23,151.75 29.5,150.47 v1(29.5,135.87)
-INT5: length 18.3
  Top w0.2: X186.1 v1(28.23,139.68)
  Bottom w0.2: X1.c8 28.87,149.2 28.87,140.31 v1(28.23,139.68)
-INT6: length 15.2
  Bottom w0.2: X187.1 34.58,144.58 34.58,153.65 32.05,153.65 X1.a9
-INT7: length 6.1
  Top w0.2: X1.c9 33.31,147.3 X188.1
-IORC: length 14.3
  Bottom w0.2: U1.4 11.73,139.69 11.73,148.57 X1.c1
-IOWC: length 10.7
  Bottom w0.2: U1.3 12.99,140.95 X1.c2
-XACK: length 144.5
  Top w0.2: X1.b10 34.58,151.11 42.2,151.11 42.2,146.03 47.92,146.03 48.55,146.66 62.53,146.66 63.16,146.03 67.61,146.03 v1(68.88,144.76) ; v1(77.77,100.31) 82.21,100.31 83.48,101.58 v1(85.38,101.58) ; v1(67.61,93.96) 69.51,93.96 72.05,96.5 v1(77.77,96.5) ; v1(90.47,96.5) U19.6
  Bottom w0.2: v1(68.88,144.76) 67.61,143.49 67.61,133.33 68.88,132.06 68.88,120.63 66.97,118.72 66.97,102.85 66.33,102.22 66.33,95.23 v1(67.61,93.96) ; v1(85.38,101.58) 85.38,95.23 89.19,95.23 v1(90.47,96.5) ; v1(77.77,96.5) v1(77.77,100.31) ; U19.6 94.28,97.77 94.28,102.85 U19.3
/U32PA0: length 94.6
  Top w0.2: v1(11.73,43.16) v1(43.47,43.16) 44.75,43.16 46.02,44.43 51.09,44.43 v1(52.36,45.7) ; U39.4 v1(11.73,53.32) ; v1(52.36,49.51) 55.54,49.51 59.35,53.32 U32.15
  Bottom w0.2: U42.9 43.47,24.11 43.47,27.92 ; v1(43.47,43.16) 43.47,27.92 ; 43.47,27.92 U43.4 ; v1(11.73,53.32) v1(11.73,43.16) ; v1(52.36,45.7) v1(52.36,49.51)
/U32PA1: length 9.7
  Top w0.2: S2.10 U32.14
  Bottom w0.2: S2.10 S2.9
/U32PA2: length 8.7
  Top w0.2: U32.13 57.44,58.4 S2.12
  Bottom w0.2: S2.12 S2.11
/U32PA3: length 7.6
  Top w0.2: S2.14 U32.12
  Bottom w0.2: S2.14 S2.13
/U32PA4: length 7.6
  Top w0.2: S2.16 U32.10
  Bottom w0.2: S2.16 S2.15
/U32PA5: length 114.8
  Top w0.2: U43.10 52.36,22.84 U43.6 46.02,24.11 38.39,24.11 37.12,25.38 U42.5 ; U41.11 41.57,53.32 40.3,54.59 37.76,54.59 36.49,55.86 U41.3 32.05,53.32 U40.11 26.97,53.32 24.42,55.86 U40.3 ; v1(35.86,68.56) U32.9
  Bottom w0.2: U42.5 35.86,26.65 35.86,54.59 U41.3 35.86,57.13 v1(35.86,68.56)
/U32PA6: length 77.9
  Top w0.2: v1(72.69,43.16) v1(62.53,43.16) ; U47.5 84.75,45.7 86.02,46.97 v1(94.28,46.97)
  Bottom w0.2: U47.5 79.03,44.43 73.95,44.43 v1(72.69,43.16) ; U46.13 94.28,34.27 v1(94.28,46.97) ; v1(62.53,43.16) 62.53,50.78 63.8,52.05 63.8,54.59 61.25,57.13 61.25,69.83 U32.8
/U32PB0: length 12.3
  Bottom w0.2: U32.27 79.03,59.67 79.03,64.75 U33.8
/U32PB1: length 12.3
  Bottom w0.2: U33.7 78.4,66.66 78.4,61.57 U32.28
/U32PB2: length 12.3
  Bottom w0.2: U33.6 78.4,69.19 78.4,67.92 77.77,67.29 77.77,63.48 U32.29
/U32PB3: length 12.3
  Bottom w0.2: U33.5 79.03,72.37 79.03,71.1 77.77,69.83 77.77,68.56 77.13,67.92 77.13,65.38 U32.30
/U32PB4: length 12.3
  Bottom w0.2: U33.4 78.4,74.27 78.4,71.73 77.13,70.47 77.13,69.19 76.5,68.56 76.5,67.29 U32.31
/U32PB5: length 12.3
  Bottom w0.2: U32.32 76.5,69.83 76.5,71.1 77.77,72.37 77.77,76.18 U33.3
/U32PB6: length 12.3
  Bottom w0.2: U32.33 77.13,73 77.13,78.08 U33.2
/U32PB7: length 12.3
  Bottom w0.2: U32.34 76.5,74.91 76.5,78.72 79.03,81.26 79.03,82.53 U33.1
/U33Q0: length 50.4
  Top w0.2: U46.3 v1(90.47,30.46) ; U47.2 83.48,53.32 84.75,52.05 v1(90.47,52.05)
  Bottom w0.2: v1(90.47,30.46) 90.47,38.08 89.83,38.72 89.83,51.41 v1(90.47,52.05) 89.19,53.32 89.19,62.21 U33.12
/U33Q1: length 59.6
  Top w0.2: U46.5 v1(90.47,25.38) ; v1(90.47,54.59) 84.75,54.59 83.48,55.86 U47.1
  Bottom w0.2: U33.13 90.47,63.48 v1(90.47,54.59) 91.73,53.32 91.73,45.7 90.47,44.43 90.47,39.35 91.73,38.08 91.73,26.65 v1(90.47,25.38)
/U33Q2: length 63.8
  Top w0.2: U47.13 84.75,53.32 83.48,54.59 v1(70.14,54.59)
  Bottom w0.2: v1(70.14,54.59) 70.14,27.92 U44.11 ; U33.14 86.66,67.29 86.66,54.59 U47.13
/U33Q3: length 67.2
  Top w0.2: v1(62.53,53.32) 67.61,53.32 68.88,52.05 83.48,52.05 84.75,50.78 U47.12
  Bottom w0.2: U44.1 61.25,36.81 61.25,43.79 61.89,44.43 61.89,52.69 v1(62.53,53.32) ; U47.12 86.02,52.69 86.02,69.19 U33.15
/U33Q4: length 80.4
  Top w0.2: v1(57.44,45.7) 58.72,46.97 83.48,46.97 84.75,48.24 U47.11
  Bottom w0.2: v1(57.44,45.7) 58.08,45.06 58.08,34.91 58.72,34.27 58.72,26.65 U44.5 ; U33.16 86.66,72.37 86.66,71.1 85.38,69.83 85.38,50.78 U47.11
/U33Q5: length 65.7
  Top w0.2: U45.11 v1(82.84,27.92) ; v1(82.84,25.38) 83.48,25.38 84.75,26.65 86.02,26.65 87.29,27.92 v1(90.47,27.92)
  Bottom w0.2: v1(82.84,27.92) v1(82.84,25.38) ; U33.17 86.02,74.27 86.02,71.73 84.75,70.47 84.75,48.88 U47.10 89.19,44.43 89.19,29.19 v1(90.47,27.92)
/U33Q6: length 70.8
  Top w0.2: U45.5 v1(77.77,25.38) ; v1(82.84,43.16) U47.9
  Bottom w0.2: U33.18 85.38,76.18 85.38,72.37 83.48,70.47 83.48,48.88 86.66,45.7 86.66,44.43 U47.9 ; v1(77.77,25.38) 79.03,26.65 81.58,26.65 81.58,41.89 v1(82.84,43.16)
/U33Q7: length 70.6
  Top w0.2: v1(87.93,24.11) 81.58,24.11 U45.9
  Bottom w0.2: v1(87.93,24.11) 86.66,25.38 86.66,39.35 U47.8 86.66,41.89 86.66,43.16 85.38,44.43 85.38,45.7 82.84,48.24 82.84,71.1 84.75,73 84.75,78.08 U33.19
/X5D0: length 49.6
  Top w0.2: U46.4 84.75,27.92 83.48,26.65 63.8,26.65 61.25,24.11 58.72,24.11 v1(57.44,25.38)
  Bottom w0.2: X5.17 56.18,11.41 57.44,12.68 57.44,15.85 56.17,17.12 56.17,23.47 57.44,24.75 v1(57.44,25.38)
/X5D1: length 45.9
  Top w0.2: U46.6 84.12,21.57 58.72,21.57 v1(57.44,22.84)
  Bottom w0.2: X5.18 58.95,11.65 59.98,12.68 59.98,15.85 58.72,17.12 58.72,21.57 v1(57.44,22.84)
/X5D2: length 23.1
  Top w0.2: U44.10 v1(63.8,25.38)
  Bottom w0.2: v1(63.8,25.38) 61.89,23.47 61.89,15.85 62.53,15.22 62.53,12.22 61.72,11.41 X5.19
/X5D3: length 32.5
  Top w0.2: U44.2 v1(65.06,33)
  Bottom w0.2: X5.20 64.49,14.53 62.53,16.49 62.53,21.57 65.06,24.11 v1(65.06,33)
/X5D4: length 29.3
  Top w0.2: v1(70.14,22.84) 68.88,24.11 64.43,24.11 63.16,22.84 U44.6
  Bottom w0.2: v1(70.14,22.84) 70.14,19.03 67.61,19.03 67.61,12.04 67.26,11.7 67.26,7.45
/X5D5: length 30.2
  Top w0.2: U45.10 79.03,24.11 71.41,24.11 v1(70.14,25.38)
  Bottom w0.2: v1(70.14,25.38) 71.41,24.11 71.41,18.4 70.03,17.01 X5.22
/X5D6: length 16.4
  Bottom w0.2: X5.23 72.8,17.24 73.95,18.4 73.95,21.57 U45.6
/X5D7: length 18.1
  Bottom w0.2: U45.8 75.22,20.3 75.22,12.04 75.57,11.7 X5.24
/X5P: length 36.8
  Bottom w0.2: U46.12 94.28,29.19 94.28,17.76 89.83,13.31 82.84,13.31 82.84,7.6 82.69,7.45 X5.25
/X5S0: length 92.8
  Top w0.2: v1(66.33,17.76) 65.7,17.12 23.79,17.12 v1(23.16,17.76) ; R8.1 R9.1
  Bottom w0.2: R9.1 21.89,35.54 21.89,19.03 v1(23.16,17.76) ; X5.8 65.88,17.3 v1(66.33,17.76) ; U39.11 15.53,52.05 15.53,48.88 16.8,47.6 R8.1
/X5S1: length 96
  Top w0.2: v1(68.88,17.76) 67.61,16.49 21.89,16.49 21.89,17.76 v1(18.07,17.76) ; R7.1 R10.1
  Bottom w0.2: U39.9 15.53,46.97 15.53,34.27 R7.1 18.07,31.73 v1(18.07,17.76) ; v1(68.88,17.76) 68.64,17.53 X5.9
/X5S2: length 109.9
  Top w0.2: R6.1 R11.1 ; U39.13 v1(19.34,58.4) ; v1(20.61,16.49) 21.25,15.85 70.78,15.85 v1(71.41,16.49)
  Bottom w0.2: X5.10 v1(71.41,16.49) ; v1(19.34,58.4) 19.34,30.46 R11.1 19.34,27.92 19.34,24.11 20.61,22.84 v1(20.61,16.49)
/X5S3: length 108.9
  Top w0.2: R13.2 R14.2 11.73,15.22 72.69,15.22 v1(73.95,16.49)
  Bottom w0.2: v1(73.95,16.49) 74.19,16.26 X5.11 ; R13.2 7.91,49.51 U39.5
/X5T0: length 101.3
  Top w0.2: v1(9.19,25.38) R5.1 R12.1 21.89,26.65 49.83,26.65 v1(51.09,27.92)
  Bottom w0.2: v1(9.19,25.38) 9.19,58.4 U39.1 ; X5.15 50.64,11.59 52.36,13.31 52.36,22.84 51.09,24.11 v1(51.09,27.92)
/X5T1: length 117
  Top w0.2: U39.3 v1(11.73,55.86) ; v1(19.34,13.95) 32.68,13.95 33.31,14.59 74.59,14.59 v1(76.5,16.49) ; R15.2 R16.2
  Bottom w0.2: X5.12 76.95,16.03 v1(76.5,16.49) ; R15.2 12.99,24.11 12.99,54.59 v1(11.73,55.86) ; R16.2 v1(19.34,13.95)
ADR0: length 108.8
  Top w0.2: v1(7.91,92.69) 32.05,92.69 33.31,93.96 v1(57.44,93.96)
  Bottom w0.2: v1(7.91,92.69) 7.91,85.07 U29.3 ; U2.19 58.72,140.95 58.72,104.12 57.44,102.85 v1(57.44,93.96)
ADR1: length 290
  Top w0.2: v1(113.32,60.94) 113.32,61.57 115.23,63.48 134.91,63.48 135.55,62.84 151.43,62.84 152.06,62.21 154.6,62.21 155.87,63.48 v1(165.4,63.48) ; v1(18.07,140.95) 52.36,140.95 53.64,139.68 U2.18 ; U30.1 v1(26.97,88.88) ; v1(113.32,58.4) U34.18 105.71,58.4 104.44,59.67 84.75,59.67 82.21,62.21 73.95,62.21 72.69,63.48 v1(62.53,63.48) ; v1(62.53,74.91) 61.25,76.18 U32.6 58.72,77.45 v1(26.97,77.45)
  Bottom w0.2: v1(165.4,63.48) 165.4,79.99 U37.34 ; U30.1 21.89,99.04 20.61,100.31 20.61,116.82 19.98,117.45 19.98,126.34 18.71,127.61 18.71,140.31 v1(18.07,140.95) ; v1(113.32,58.4) v1(113.32,60.94) ; v1(62.53,74.91) v1(62.53,63.48) ; v1(26.97,88.88) v1(26.97,77.45)
ADR2: length 292.8
  Top w0.2: U32.5 v1(67.61,78.72) ; U37.33 160.31,81.26 159.04,79.99 152.69,79.99 v1(151.43,78.72) ; v1(67.61,64.75) 82.21,64.75 84.75,62.21 104.44,62.21 105.71,60.94 U34.19 109.51,59.67 131.1,59.67 133.65,57.13 v1(151.43,57.13) ; U30.2 25.06,86.34 26.33,87.61 47.28,87.61 48.55,86.34 v1(57.44,86.34) ; v1(16.8,138.41) 37.12,138.41 38.39,139.68 47.28,139.68 48.55,138.41 52.36,138.41 53.64,137.14 U2.17
  Bottom w0.2: U30.2 20.61,87.61 20.61,99.04 19.98,99.67 19.98,115.55 19.34,116.19 19.34,123.17 18.07,124.44 18.07,137.14 v1(16.8,138.41) ; v1(151.43,78.72) 151.43,78.08 150.16,76.81 150.16,75.55 152.69,73 152.69,64.75 151.43,63.48 v1(151.43,57.13) ; v1(67.61,78.72) v1(67.61,64.75) ; v1(57.44,86.34) 58.72,85.07 58.72,79.99 U32.5
